# KiCad board distribution.kicad_pcb (continued)
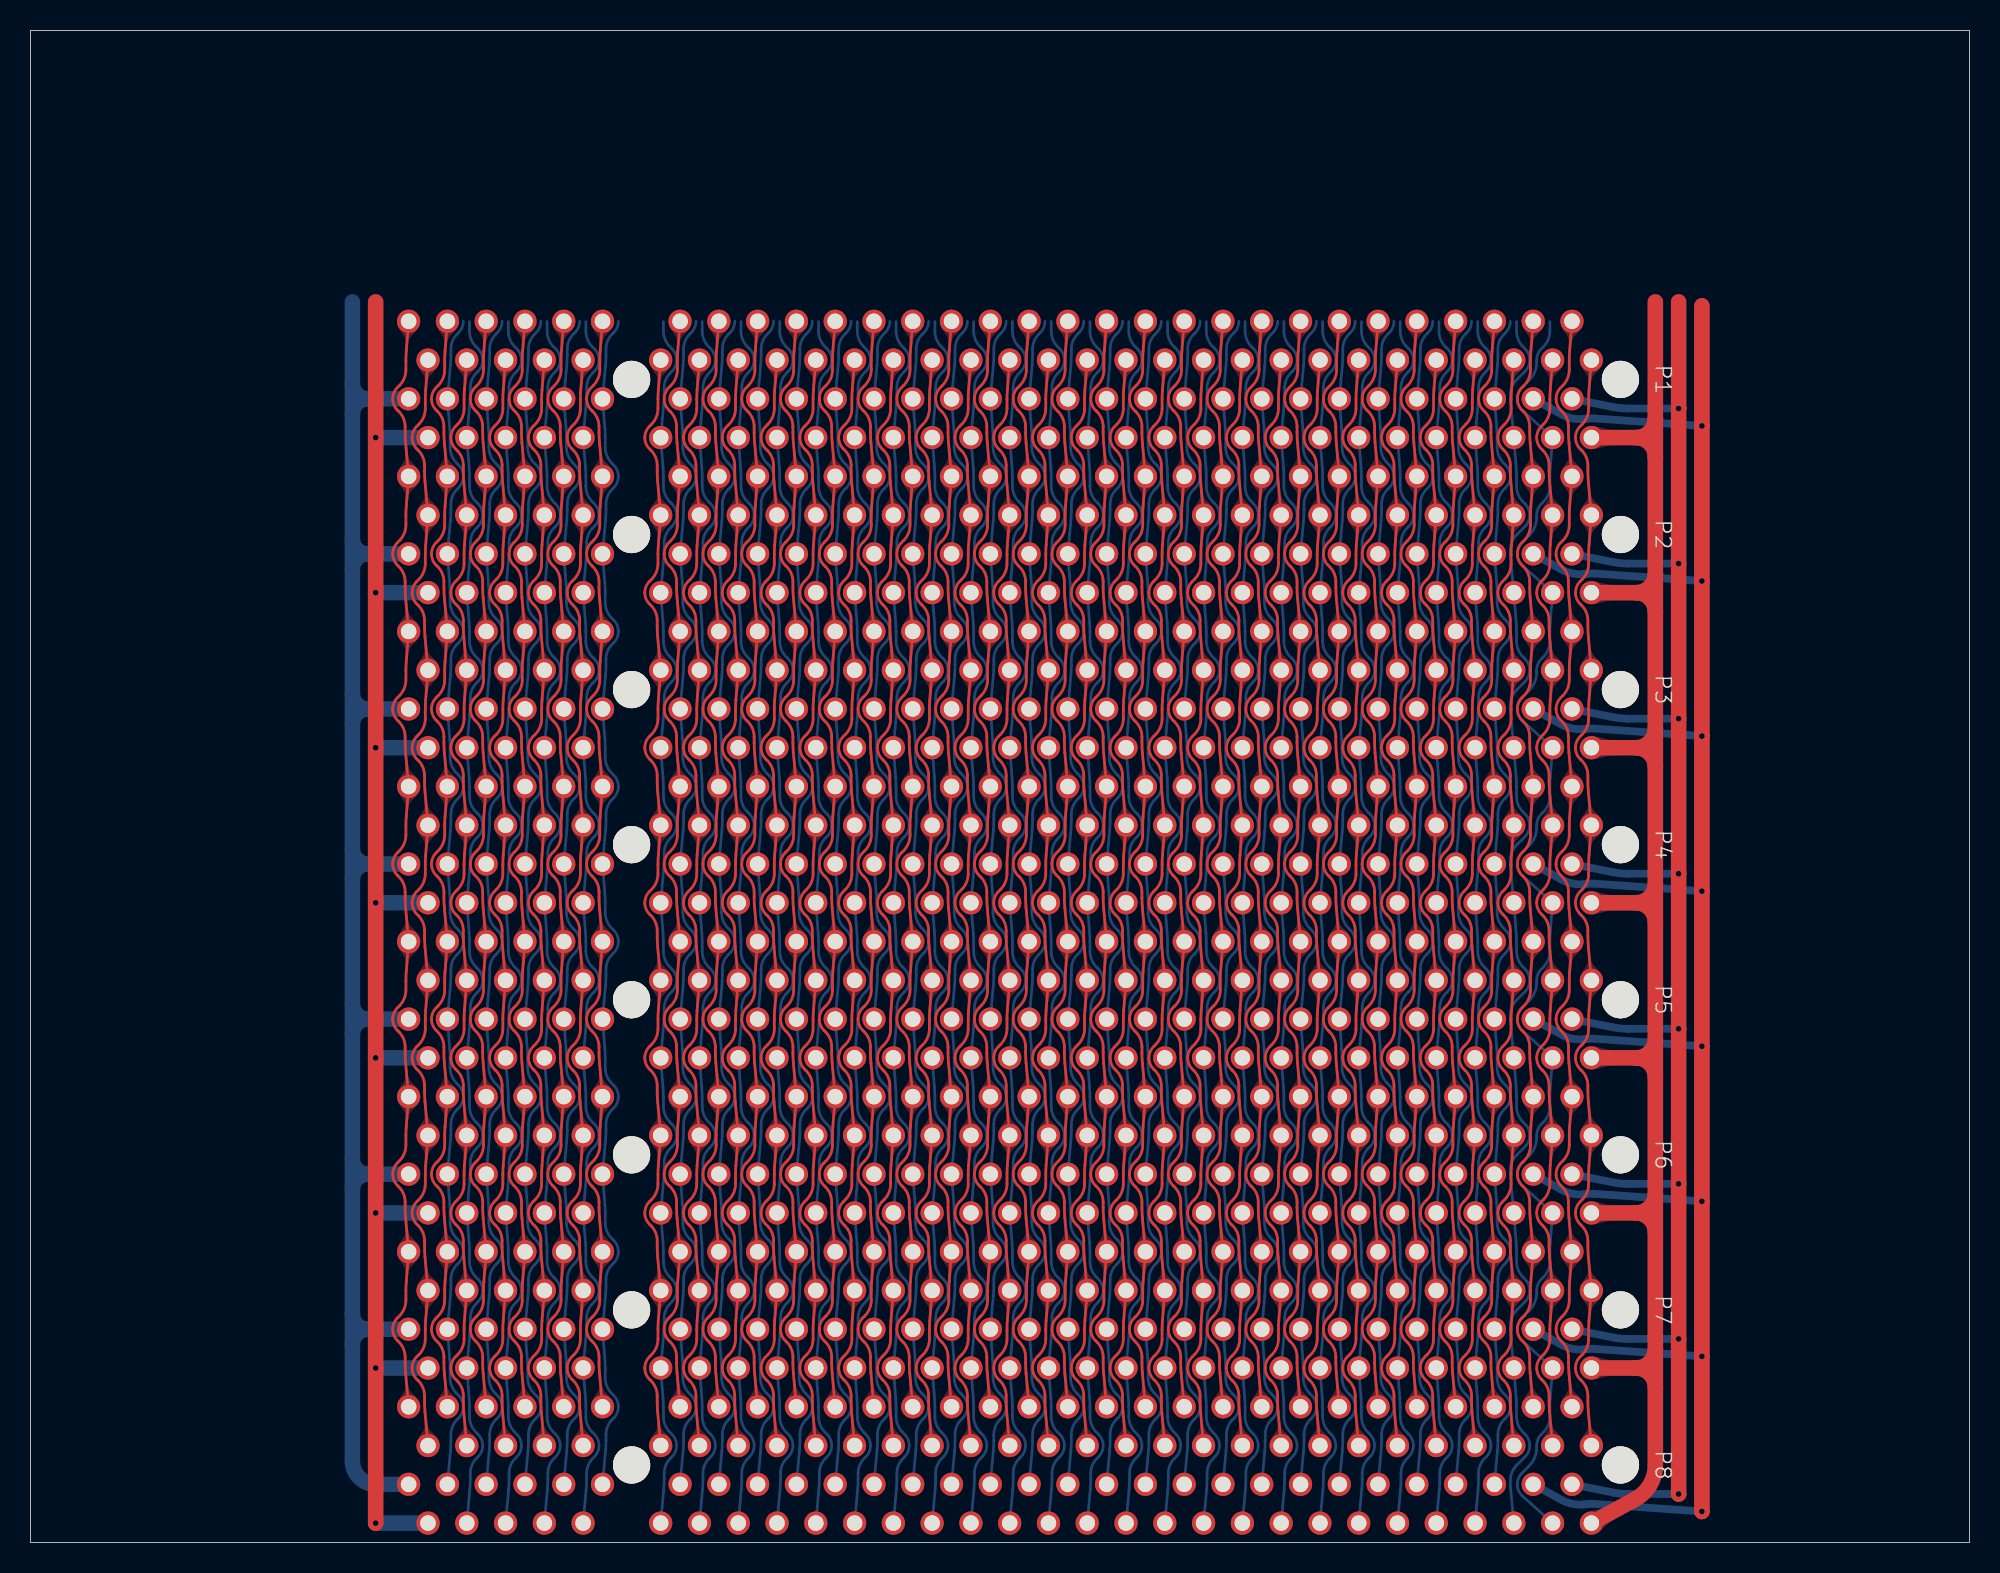
[diagram p0: board, top side]
## Routing (per net, layer and track width the routed paths; a pad name or vN(x,y) marks a point on that pad's centre or on a via; arc(x,y) is an arc through that point) (continued)
Aw': length 74.6
  Top w0.178: P8.B12 88.07,11.09 arc(88.04,11.43) 88.04,11.77 88.04,12.15 arc(87.93,12.68) 87.63,13.13 87.53,13.23 arc(87.3,13.57) 87.22,13.97 arc(87.3,14.37) 87.53,14.71 87.66,14.83 arc(87.97,15.31) 88.09,15.88 88.09,16.49 arc(88.09,16.79) 88.11,17.09 P7.B12 88.07,21.25 arc(88.04,21.59) 88.04,21.93 88.04,22.31 arc(87.93,22.84) 87.63,23.29 87.53,23.39 arc(87.3,23.73) 87.22,24.13 arc(87.3,24.53) 87.53,24.87 87.66,24.99 arc(87.97,25.47) 88.09,26.04 88.09,26.65 arc(88.09,26.95) 88.11,27.25 P6.B12 88.07,31.41 arc(88.04,31.75) 88.04,32.09 88.04,32.47 arc(87.93,33) 87.63,33.45 87.53,33.55 arc(87.3,33.89) 87.22,34.29 arc(87.3,34.69) 87.53,35.03 87.66,35.15 arc(87.97,35.63) 88.09,36.2 88.09,36.81 arc(88.09,37.11) 88.11,37.41 P5.B12 88.07,41.57 arc(88.04,41.91) 88.04,42.25 88.04,42.63 arc(87.93,43.16) 87.63,43.61 87.53,43.71 arc(87.3,44.05) 87.22,44.45 arc(87.3,44.85) 87.53,45.19 87.66,45.31 arc(87.97,45.79) 88.09,46.36 88.09,46.97 arc(88.09,47.27) 88.11,47.57 P4.B12 88.07,51.73 arc(88.04,52.07) 88.04,52.41 88.04,52.79 arc(87.93,53.32) 87.63,53.77 87.53,53.87 arc(87.3,54.21) 87.22,54.61 arc(87.3,55.01) 87.53,55.35 87.66,55.47 arc(87.97,55.95) 88.09,56.52 88.09,57.13 arc(88.09,57.43) 88.11,57.73 P3.B12 88.07,61.89 arc(88.04,62.23) 88.04,62.57 88.04,62.95 arc(87.93,63.48) 87.63,63.93 87.53,64.03 arc(87.3,64.37) 87.22,64.77 arc(87.3,65.17) 87.53,65.51 87.66,65.63 arc(87.97,66.11) 88.09,66.68 88.09,67.29 arc(88.09,67.59) 88.11,67.89 P2.B12 88.07,72.05 arc(88.04,72.39) 88.04,72.73 88.04,73.11 arc(87.93,73.64) 87.63,74.09 87.53,74.19 arc(87.3,74.53) 87.22,74.93 arc(87.3,75.33) 87.53,75.67 87.66,75.79 arc(87.97,76.27) 88.09,76.84 88.09,77.45 arc(88.09,77.75) 88.11,78.05 P1.B12
be: length 74.6
  Top w0.178: P8.B21 76.64,8.55 arc(76.61,8.89) 76.61,9.23 76.61,9.61 arc(76.5,10.14) 76.2,10.59 76.1,10.69 arc(75.87,11.03) 75.79,11.43 arc(75.87,11.83) 76.1,12.17 76.23,12.29 arc(76.54,12.77) 76.66,13.34 76.66,13.95 arc(76.66,14.25) 76.68,14.55 P7.B21 76.64,18.71 arc(76.61,19.05) 76.61,19.39 76.61,19.77 arc(76.5,20.3) 76.2,20.75 76.1,20.85 arc(75.87,21.19) 75.79,21.59 arc(75.87,21.99) 76.1,22.33 76.23,22.45 arc(76.54,22.93) 76.66,23.5 76.66,24.11 arc(76.66,24.41) 76.68,24.71 P6.B21 76.64,28.87 arc(76.61,29.21) 76.61,29.55 76.61,29.93 arc(76.5,30.46) 76.2,30.91 76.1,31.01 arc(75.87,31.35) 75.79,31.75 arc(75.87,32.15) 76.1,32.49 76.23,32.61 arc(76.54,33.09) 76.66,33.66 76.66,34.27 arc(76.66,34.57) 76.68,34.87 P5.B21 76.64,39.03 arc(76.61,39.37) 76.61,39.71 76.61,40.09 arc(76.5,40.62) 76.2,41.07 76.1,41.17 arc(75.87,41.51) 75.79,41.91 arc(75.87,42.31) 76.1,42.65 76.23,42.77 arc(76.54,43.25) 76.66,43.82 76.66,44.43 arc(76.66,44.73) 76.68,45.03 P4.B21 76.64,49.19 arc(76.61,49.53) 76.61,49.87 76.61,50.25 arc(76.5,50.78) 76.2,51.23 76.1,51.33 arc(75.87,51.67) 75.79,52.07 arc(75.87,52.47) 76.1,52.81 76.23,52.93 arc(76.54,53.41) 76.66,53.98 76.66,54.59 arc(76.66,54.89) 76.68,55.19 P3.B21 76.64,59.35 arc(76.61,59.69) 76.61,60.03 76.61,60.41 arc(76.5,60.94) 76.2,61.39 76.1,61.49 arc(75.87,61.83) 75.79,62.23 arc(75.87,62.63) 76.1,62.97 76.23,63.09 arc(76.54,63.57) 76.66,64.14 76.66,64.75 arc(76.66,65.05) 76.68,65.35 P2.B21 76.64,69.51 arc(76.61,69.85) 76.61,70.19 76.61,70.57 arc(76.5,71.1) 76.2,71.55 76.1,71.65 arc(75.87,71.99) 75.79,72.39 arc(75.87,72.79) 76.1,73.13 76.23,73.25 arc(76.54,73.73) 76.66,74.3 76.66,74.91 arc(76.66,75.21) 76.68,75.51 P1.B21
Bl: length 74.6
  Top w0.178: 53.98,77.47 53.82,75.51 arc(53.8,75.21) 53.8,74.91 53.8,74.3 arc(53.68,73.73) 53.37,73.25 53.24,73.13 arc(53.01,72.79) 52.93,72.39 arc(53.01,71.99) 53.24,71.65 53.34,71.55 arc(53.64,71.1) 53.75,70.57 53.75,70.19 arc(53.75,69.85) 53.78,69.51 53.98,67.31 53.82,65.35 arc(53.8,65.05) 53.8,64.75 53.8,64.14 arc(53.68,63.57) 53.37,63.09 53.24,62.97 arc(53.01,62.63) 52.93,62.23 arc(53.01,61.83) 53.24,61.49 53.34,61.39 arc(53.64,60.94) 53.75,60.41 53.75,60.03 arc(53.75,59.69) 53.78,59.35 53.98,57.15 53.82,55.19 arc(53.8,54.89) 53.8,54.59 53.8,53.98 arc(53.68,53.41) 53.37,52.93 53.24,52.81 arc(53.01,52.47) 52.93,52.07 arc(53.01,51.67) 53.24,51.33 53.34,51.23 arc(53.64,50.78) 53.75,50.25 53.75,49.87 arc(53.75,49.53) 53.78,49.19 53.98,46.99 53.82,45.03 arc(53.8,44.73) 53.8,44.43 53.8,43.82 arc(53.68,43.25) 53.37,42.77 53.24,42.65 arc(53.01,42.31) 52.93,41.91 arc(53.01,41.51) 53.24,41.17 53.34,41.07 arc(53.64,40.62) 53.75,40.09 53.75,39.71 arc(53.75,39.37) 53.78,39.03 53.98,36.83 53.82,34.87 arc(53.8,34.57) 53.8,34.27 53.8,33.66 arc(53.68,33.09) 53.37,32.61 53.24,32.49 arc(53.01,32.15) 52.93,31.75 arc(53.01,31.35) 53.24,31.01 53.34,30.91 arc(53.64,30.46) 53.75,29.93 53.75,29.55 arc(53.75,29.21) 53.78,28.87 53.98,26.67 53.82,24.71 arc(53.8,24.41) 53.8,24.11 53.8,23.5 arc(53.68,22.93) 53.37,22.45 53.24,22.33 arc(53.01,21.99) 52.93,21.59 arc(53.01,21.19) 53.24,20.85 53.34,20.75 arc(53.64,20.3) 53.75,19.77 53.75,19.39 arc(53.75,19.05) 53.78,18.71 53.98,16.51 53.82,14.55 arc(53.8,14.25) 53.8,13.95 53.8,13.34 arc(53.68,12.77) 53.37,12.29 53.24,12.17 arc(53.01,11.83) 52.93,11.43 arc(53.01,11.03) 53.24,10.69 53.34,10.59 arc(53.64,10.14) 53.75,9.61 53.75,9.23 arc(53.75,8.89) 53.78,8.55 53.98,6.35
bq: length 74.6
  Top w0.178: P1.B33 61.44,75.51 arc(61.42,75.21) 61.42,74.91 61.42,74.3 arc(61.3,73.73) 60.99,73.25 60.86,73.13 arc(60.63,72.79) 60.55,72.39 arc(60.63,71.99) 60.86,71.65 60.96,71.55 arc(61.26,71.1) 61.37,70.57 61.37,70.19 arc(61.37,69.85) 61.4,69.51 P2.B33 61.44,65.35 arc(61.42,65.05) 61.42,64.75 61.42,64.14 arc(61.3,63.57) 60.99,63.09 60.86,62.97 arc(60.63,62.63) 60.55,62.23 arc(60.63,61.83) 60.86,61.49 60.96,61.39 arc(61.26,60.94) 61.37,60.41 61.37,60.03 arc(61.37,59.69) 61.4,59.35 P3.B33 61.44,55.19 arc(61.42,54.89) 61.42,54.59 61.42,53.98 arc(61.3,53.41) 60.99,52.93 60.86,52.81 arc(60.63,52.47) 60.55,52.07 arc(60.63,51.67) 60.86,51.33 60.96,51.23 arc(61.26,50.78) 61.37,50.25 61.37,49.87 arc(61.37,49.53) 61.4,49.19 P4.B33 61.44,45.03 arc(61.42,44.73) 61.42,44.43 61.42,43.82 arc(61.3,43.25) 60.99,42.77 60.86,42.65 arc(60.63,42.31) 60.55,41.91 arc(60.63,41.51) 60.86,41.17 60.96,41.07 arc(61.26,40.62) 61.37,40.09 61.37,39.71 arc(61.37,39.37) 61.4,39.03 P5.B33 61.44,34.87 arc(61.42,34.57) 61.42,34.27 61.42,33.66 arc(61.3,33.09) 60.99,32.61 60.86,32.49 arc(60.63,32.15) 60.55,31.75 arc(60.63,31.35) 60.86,31.01 60.96,30.91 arc(61.26,30.46) 61.37,29.93 61.37,29.55 arc(61.37,29.21) 61.4,28.87 P6.B33 61.44,24.71 arc(61.42,24.41) 61.42,24.11 61.42,23.5 arc(61.3,22.93) 60.99,22.45 60.86,22.33 arc(60.63,21.99) 60.55,21.59 arc(60.63,21.19) 60.86,20.85 60.96,20.75 arc(61.26,20.3) 61.37,19.77 61.37,19.39 arc(61.37,19.05) 61.4,18.71 P7.B33 61.44,14.55 arc(61.42,14.25) 61.42,13.95 61.42,13.34 arc(61.3,12.77) 60.99,12.29 60.86,12.17 arc(60.63,11.83) 60.55,11.43 arc(60.63,11.03) 60.86,10.69 60.96,10.59 arc(61.26,10.14) 61.37,9.61 61.37,9.23 arc(61.37,8.89) 61.4,8.55 P8.B33
brc: length 74.6
  Top w0.178: 74.3,6.35 74.1,8.55 arc(74.07,8.89) 74.07,9.23 74.07,9.61 arc(73.96,10.14) 73.66,10.59 73.56,10.69 arc(73.33,11.03) 73.25,11.43 arc(73.33,11.83) 73.56,12.17 73.69,12.29 arc(74,12.77) 74.12,13.34 74.12,13.95 arc(74.12,14.25) 74.14,14.55 74.3,16.51 74.1,18.71 arc(74.07,19.05) 74.07,19.39 74.07,19.77 arc(73.96,20.3) 73.66,20.75 73.56,20.85 arc(73.33,21.19) 73.25,21.59 arc(73.33,21.99) 73.56,22.33 73.69,22.45 arc(74,22.93) 74.12,23.5 74.12,24.11 arc(74.12,24.41) 74.14,24.71 74.3,26.67 74.1,28.87 arc(74.07,29.21) 74.07,29.55 74.07,29.93 arc(73.96,30.46) 73.66,30.91 73.56,31.01 arc(73.33,31.35) 73.25,31.75 arc(73.33,32.15) 73.56,32.49 73.69,32.61 arc(74,33.09) 74.12,33.66 74.12,34.27 arc(74.12,34.57) 74.14,34.87 74.3,36.83 74.1,39.03 arc(74.07,39.37) 74.07,39.71 74.07,40.09 arc(73.96,40.62) 73.66,41.07 73.56,41.17 arc(73.33,41.51) 73.25,41.91 arc(73.33,42.31) 73.56,42.65 73.69,42.77 arc(74,43.25) 74.12,43.82 74.12,44.43 arc(74.12,44.73) 74.14,45.03 74.3,46.99 74.1,49.19 arc(74.07,49.53) 74.07,49.87 74.07,50.25 arc(73.96,50.78) 73.66,51.23 73.56,51.33 arc(73.33,51.67) 73.25,52.07 arc(73.33,52.47) 73.56,52.81 73.69,52.93 arc(74,53.41) 74.12,53.98 74.12,54.59 arc(74.12,54.89) 74.14,55.19 74.3,57.15 74.1,59.35 arc(74.07,59.69) 74.07,60.03 74.07,60.41 arc(73.96,60.94) 73.66,61.39 73.56,61.49 arc(73.33,61.83) 73.25,62.23 arc(73.33,62.63) 73.56,62.97 73.69,63.09 arc(74,63.57) 74.12,64.14 74.12,64.75 arc(74.12,65.05) 74.14,65.35 74.3,67.31 74.1,69.51 arc(74.07,69.85) 74.07,70.19 74.07,70.57 arc(73.96,71.1) 73.66,71.55 73.56,71.65 arc(73.33,71.99) 73.25,72.39 arc(73.33,72.79) 73.56,73.13 73.69,73.25 arc(74,73.73) 74.12,74.3 74.12,74.91 arc(74.12,75.21) 74.14,75.51 74.3,77.47
bs: length 74.6
  Top w0.178: P8.B30 65.21,11.09 arc(65.18,11.43) 65.18,11.77 65.18,12.15 arc(65.07,12.68) 64.77,13.13 64.67,13.23 arc(64.44,13.57) 64.36,13.97 arc(64.44,14.37) 64.67,14.71 64.8,14.83 arc(65.11,15.31) 65.23,15.88 65.23,16.49 arc(65.23,16.79) 65.25,17.09 P7.B30 65.21,21.25 arc(65.18,21.59) 65.18,21.93 65.18,22.31 arc(65.07,22.84) 64.77,23.29 64.67,23.39 arc(64.44,23.73) 64.36,24.13 arc(64.44,24.53) 64.67,24.87 64.8,24.99 arc(65.11,25.47) 65.23,26.04 65.23,26.65 arc(65.23,26.95) 65.25,27.25 P6.B30 65.21,31.41 arc(65.18,31.75) 65.18,32.09 65.18,32.47 arc(65.07,33) 64.77,33.45 64.67,33.55 arc(64.44,33.89) 64.36,34.29 arc(64.44,34.69) 64.67,35.03 64.8,35.15 arc(65.11,35.63) 65.23,36.2 65.23,36.81 arc(65.23,37.11) 65.25,37.41 P5.B30 65.21,41.57 arc(65.18,41.91) 65.18,42.25 65.18,42.63 arc(65.07,43.16) 64.77,43.61 64.67,43.71 arc(64.44,44.05) 64.36,44.45 arc(64.44,44.85) 64.67,45.19 64.8,45.31 arc(65.11,45.79) 65.23,46.36 65.23,46.97 arc(65.23,47.27) 65.25,47.57 P4.B30 65.21,51.73 arc(65.18,52.07) 65.18,52.41 65.18,52.79 arc(65.07,53.32) 64.77,53.77 64.67,53.87 arc(64.44,54.21) 64.36,54.61 arc(64.44,55.01) 64.67,55.35 64.8,55.47 arc(65.11,55.95) 65.23,56.52 65.23,57.13 arc(65.23,57.43) 65.25,57.73 P3.B30 65.21,61.89 arc(65.18,62.23) 65.18,62.57 65.18,62.95 arc(65.07,63.48) 64.77,63.93 64.67,64.03 arc(64.44,64.37) 64.36,64.77 arc(64.44,65.17) 64.67,65.51 64.8,65.63 arc(65.11,66.11) 65.23,66.68 65.23,67.29 arc(65.23,67.59) 65.25,67.89 P2.B30 65.21,72.05 arc(65.18,72.39) 65.18,72.73 65.18,73.11 arc(65.07,73.64) 64.77,74.09 64.67,74.19 arc(64.44,74.53) 64.36,74.93 arc(64.44,75.33) 64.67,75.67 64.8,75.79 arc(65.11,76.27) 65.23,76.84 65.23,77.45 arc(65.23,77.75) 65.25,78.05 P1.B30
C: length 74.6
  Top w0.178: P8.B38 55.05,11.09 arc(55.02,11.43) 55.02,11.77 55.02,12.15 arc(54.91,12.68) 54.61,13.13 54.51,13.23 arc(54.28,13.57) 54.2,13.97 arc(54.28,14.37) 54.51,14.71 54.64,14.83 arc(54.95,15.31) 55.07,15.88 55.07,16.49 arc(55.07,16.79) 55.09,17.09 P7.B38 55.05,21.25 arc(55.02,21.59) 55.02,21.93 55.02,22.31 arc(54.91,22.84) 54.61,23.29 54.51,23.39 arc(54.28,23.73) 54.2,24.13 arc(54.28,24.53) 54.51,24.87 54.64,24.99 arc(54.95,25.47) 55.07,26.04 55.07,26.65 arc(55.07,26.95) 55.09,27.25 P6.B38 55.05,31.41 arc(55.02,31.75) 55.02,32.09 55.02,32.47 arc(54.91,33) 54.61,33.45 54.51,33.55 arc(54.28,33.89) 54.2,34.29 arc(54.28,34.69) 54.51,35.03 54.64,35.15 arc(54.95,35.63) 55.07,36.2 55.07,36.81 arc(55.07,37.11) 55.09,37.41 P5.B38 55.05,41.57 arc(55.02,41.91) 55.02,42.25 55.02,42.63 arc(54.91,43.16) 54.61,43.61 54.51,43.71 arc(54.28,44.05) 54.2,44.45 arc(54.28,44.85) 54.51,45.19 54.64,45.31 arc(54.95,45.79) 55.07,46.36 55.07,46.97 arc(55.07,47.27) 55.09,47.57 P4.B38 55.05,51.73 arc(55.02,52.07) 55.02,52.41 55.02,52.79 arc(54.91,53.32) 54.61,53.77 54.51,53.87 arc(54.28,54.21) 54.2,54.61 arc(54.28,55.01) 54.51,55.35 54.64,55.47 arc(54.95,55.95) 55.07,56.52 55.07,57.13 arc(55.07,57.43) 55.09,57.73 P3.B38 55.05,61.89 arc(55.02,62.23) 55.02,62.57 55.02,62.95 arc(54.91,63.48) 54.61,63.93 54.51,64.03 arc(54.28,64.37) 54.2,64.77 arc(54.28,65.17) 54.51,65.51 54.64,65.63 arc(54.95,66.11) 55.07,66.68 55.07,67.29 arc(55.07,67.59) 55.09,67.89 P2.B38 55.05,72.05 arc(55.02,72.39) 55.02,72.73 55.02,73.11 arc(54.91,73.64) 54.61,74.09 54.51,74.19 arc(54.28,74.53) 54.2,74.93 arc(54.28,75.33) 54.51,75.67 54.64,75.79 arc(54.95,76.27) 55.07,76.84 55.07,77.45 arc(55.07,77.75) 55.09,78.05 P1.B38
CP: length 74.6
  Top w0.178: P8.B27 69.02,8.55 arc(68.99,8.89) 68.99,9.23 68.99,9.61 arc(68.88,10.14) 68.58,10.59 68.48,10.69 arc(68.25,11.03) 68.17,11.43 arc(68.25,11.83) 68.48,12.17 68.61,12.29 arc(68.92,12.77) 69.04,13.34 69.04,13.95 arc(69.04,14.25) 69.06,14.55 P7.B27 69.02,18.71 arc(68.99,19.05) 68.99,19.39 68.99,19.77 arc(68.88,20.3) 68.58,20.75 68.48,20.85 arc(68.25,21.19) 68.17,21.59 arc(68.25,21.99) 68.48,22.33 68.61,22.45 arc(68.92,22.93) 69.04,23.5 69.04,24.11 arc(69.04,24.41) 69.06,24.71 P6.B27 69.02,28.87 arc(68.99,29.21) 68.99,29.55 68.99,29.93 arc(68.88,30.46) 68.58,30.91 68.48,31.01 arc(68.25,31.35) 68.17,31.75 arc(68.25,32.15) 68.48,32.49 68.61,32.61 arc(68.92,33.09) 69.04,33.66 69.04,34.27 arc(69.04,34.57) 69.06,34.87 P5.B27 69.02,39.03 arc(68.99,39.37) 68.99,39.71 68.99,40.09 arc(68.88,40.62) 68.58,41.07 68.48,41.17 arc(68.25,41.51) 68.17,41.91 arc(68.25,42.31) 68.48,42.65 68.61,42.77 arc(68.92,43.25) 69.04,43.82 69.04,44.43 arc(69.04,44.73) 69.06,45.03 P4.B27 69.02,49.19 arc(68.99,49.53) 68.99,49.87 68.99,50.25 arc(68.88,50.78) 68.58,51.23 68.48,51.33 arc(68.25,51.67) 68.17,52.07 arc(68.25,52.47) 68.48,52.81 68.61,52.93 arc(68.92,53.41) 69.04,53.98 69.04,54.59 arc(69.04,54.89) 69.06,55.19 P3.B27 69.02,59.35 arc(68.99,59.69) 68.99,60.03 68.99,60.41 arc(68.88,60.94) 68.58,61.39 68.48,61.49 arc(68.25,61.83) 68.17,62.23 arc(68.25,62.63) 68.48,62.97 68.61,63.09 arc(68.92,63.57) 69.04,64.14 69.04,64.75 arc(69.04,65.05) 69.06,65.35 P2.B27 69.02,69.51 arc(68.99,69.85) 68.99,70.19 68.99,70.57 arc(68.88,71.1) 68.58,71.55 68.48,71.65 arc(68.25,71.99) 68.17,72.39 arc(68.25,72.79) 68.48,73.13 68.61,73.25 arc(68.92,73.73) 69.04,74.3 69.04,74.91 arc(69.04,75.21) 69.06,75.51 P1.B27
Cw': length 74.6
  Top w0.178: P8.B56 32.19,11.09 arc(32.16,11.43) 32.16,11.77 32.16,12.15 arc(32.05,12.68) 31.75,13.13 31.65,13.23 arc(31.42,13.57) 31.34,13.97 arc(31.42,14.37) 31.65,14.71 31.78,14.83 arc(32.09,15.31) 32.21,15.88 32.21,16.49 arc(32.21,16.79) 32.23,17.09 P7.B56 32.19,21.25 arc(32.16,21.59) 32.16,21.93 32.16,22.31 arc(32.05,22.84) 31.75,23.29 31.65,23.39 arc(31.42,23.73) 31.34,24.13 arc(31.42,24.53) 31.65,24.87 31.78,24.99 arc(32.09,25.47) 32.21,26.04 32.21,26.65 arc(32.21,26.95) 32.23,27.25 P6.B56 32.19,31.41 arc(32.16,31.75) 32.16,32.09 32.16,32.47 arc(32.05,33) 31.75,33.45 31.65,33.55 arc(31.42,33.89) 31.34,34.29 arc(31.42,34.69) 31.65,35.03 31.78,35.15 arc(32.09,35.63) 32.21,36.2 32.21,36.81 arc(32.21,37.11) 32.23,37.41 P5.B56 32.19,41.57 arc(32.16,41.91) 32.16,42.25 32.16,42.63 arc(32.05,43.16) 31.75,43.61 31.65,43.71 arc(31.42,44.05) 31.34,44.45 arc(31.42,44.85) 31.65,45.19 31.78,45.31 arc(32.09,45.79) 32.21,46.36 32.21,46.97 arc(32.21,47.27) 32.23,47.57 P4.B56 32.19,51.73 arc(32.16,52.07) 32.16,52.41 32.16,52.79 arc(32.05,53.32) 31.75,53.77 31.65,53.87 arc(31.42,54.21) 31.34,54.61 arc(31.42,55.01) 31.65,55.35 31.78,55.47 arc(32.09,55.95) 32.21,56.52 32.21,57.13 arc(32.21,57.43) 32.23,57.73 P3.B56 32.19,61.89 arc(32.16,62.23) 32.16,62.57 32.16,62.95 arc(32.05,63.48) 31.75,63.93 31.65,64.03 arc(31.42,64.37) 31.34,64.77 arc(31.42,65.17) 31.65,65.51 31.78,65.63 arc(32.09,66.11) 32.21,66.68 32.21,67.29 arc(32.21,67.59) 32.23,67.89 P2.B56 32.19,72.05 arc(32.16,72.39) 32.16,72.73 32.16,73.11 arc(32.05,73.64) 31.75,74.09 31.65,74.19 arc(31.42,74.53) 31.34,74.93 arc(31.42,75.33) 31.65,75.67 31.78,75.79 arc(32.09,76.27) 32.21,76.84 32.21,77.45 arc(32.21,77.75) 32.23,78.05 P1.B56
F: length 74.6
  Top w0.178: 71.76,77.47 71.6,75.51 arc(71.58,75.21) 71.58,74.91 71.58,74.3 arc(71.46,73.73) 71.15,73.25 71.02,73.13 arc(70.79,72.79) 70.71,72.39 arc(70.79,71.99) 71.02,71.65 71.12,71.55 arc(71.42,71.1) 71.53,70.57 71.53,70.19 arc(71.53,69.85) 71.56,69.51 71.76,67.31 71.6,65.35 arc(71.58,65.05) 71.58,64.75 71.58,64.14 arc(71.46,63.57) 71.15,63.09 71.02,62.97 arc(70.79,62.63) 70.71,62.23 arc(70.79,61.83) 71.02,61.49 71.12,61.39 arc(71.42,60.94) 71.53,60.41 71.53,60.03 arc(71.53,59.69) 71.56,59.35 71.76,57.15 71.6,55.19 arc(71.58,54.89) 71.58,54.59 71.58,53.98 arc(71.46,53.41) 71.15,52.93 71.02,52.81 arc(70.79,52.47) 70.71,52.07 arc(70.79,51.67) 71.02,51.33 71.12,51.23 arc(71.42,50.78) 71.53,50.25 71.53,49.87 arc(71.53,49.53) 71.56,49.19 71.76,46.99 71.6,45.03 arc(71.58,44.73) 71.58,44.43 71.58,43.82 arc(71.46,43.25) 71.15,42.77 71.02,42.65 arc(70.79,42.31) 70.71,41.91 arc(70.79,41.51) 71.02,41.17 71.12,41.07 arc(71.42,40.62) 71.53,40.09 71.53,39.71 arc(71.53,39.37) 71.56,39.03 71.76,36.83 71.6,34.87 arc(71.58,34.57) 71.58,34.27 71.58,33.66 arc(71.46,33.09) 71.15,32.61 71.02,32.49 arc(70.79,32.15) 70.71,31.75 arc(70.79,31.35) 71.02,31.01 71.12,30.91 arc(71.42,30.46) 71.53,29.93 71.53,29.55 arc(71.53,29.21) 71.56,28.87 71.76,26.67 71.6,24.71 arc(71.58,24.41) 71.58,24.11 71.58,23.5 arc(71.46,22.93) 71.15,22.45 71.02,22.33 arc(70.79,21.99) 70.71,21.59 arc(70.79,21.19) 71.02,20.85 71.12,20.75 arc(71.42,20.3) 71.53,19.77 71.53,19.39 arc(71.53,19.05) 71.56,18.71 71.76,16.51 71.6,14.55 arc(71.58,14.25) 71.58,13.95 71.58,13.34 arc(71.46,12.77) 71.15,12.29 71.02,12.17 arc(70.79,11.83) 70.71,11.43 arc(70.79,11.03) 71.02,10.69 71.12,10.59 arc(71.42,10.14) 71.53,9.61 71.53,9.23 arc(71.53,8.89) 71.56,8.55 71.76,6.35
Fa: length 74.6
  Top w0.178: 99.7,77.47 99.54,75.51 arc(99.52,75.21) 99.52,74.91 99.52,74.3 arc(99.4,73.73) 99.09,73.25 98.96,73.13 arc(98.73,72.79) 98.65,72.39 arc(98.73,71.99) 98.96,71.65 99.06,71.55 arc(99.36,71.1) 99.47,70.57 99.47,70.19 arc(99.47,69.85) 99.5,69.51 99.7,67.31 99.54,65.35 arc(99.52,65.05) 99.52,64.75 99.52,64.14 arc(99.4,63.57) 99.09,63.09 98.96,62.97 arc(98.73,62.63) 98.65,62.23 arc(98.73,61.83) 98.96,61.49 99.06,61.39 arc(99.36,60.94) 99.47,60.41 99.47,60.03 arc(99.47,59.69) 99.5,59.35 99.7,57.15 99.54,55.19 arc(99.52,54.89) 99.52,54.59 99.52,53.98 arc(99.4,53.41) 99.09,52.93 98.96,52.81 arc(98.73,52.47) 98.65,52.07 arc(98.73,51.67) 98.96,51.33 99.06,51.23 arc(99.36,50.78) 99.47,50.25 99.47,49.87 arc(99.47,49.53) 99.5,49.19 99.7,46.99 99.54,45.03 arc(99.52,44.73) 99.52,44.43 99.52,43.82 arc(99.4,43.25) 99.09,42.77 98.96,42.65 arc(98.73,42.31) 98.65,41.91 arc(98.73,41.51) 98.96,41.17 99.06,41.07 arc(99.36,40.62) 99.47,40.09 99.47,39.71 arc(99.47,39.37) 99.5,39.03 99.7,36.83 99.54,34.87 arc(99.52,34.57) 99.52,34.27 99.52,33.66 arc(99.4,33.09) 99.09,32.61 98.96,32.49 arc(98.73,32.15) 98.65,31.75 arc(98.73,31.35) 98.96,31.01 99.06,30.91 arc(99.36,30.46) 99.47,29.93 99.47,29.55 arc(99.47,29.21) 99.5,28.87 99.7,26.67 99.54,24.71 arc(99.52,24.41) 99.52,24.11 99.52,23.5 arc(99.4,22.93) 99.09,22.45 98.96,22.33 arc(98.73,21.99) 98.65,21.59 arc(98.73,21.19) 98.96,20.85 99.06,20.75 arc(99.36,20.3) 99.47,19.77 99.47,19.39 arc(99.47,19.05) 99.5,18.71 99.7,16.51 99.54,14.55 arc(99.52,14.25) 99.52,13.95 99.52,13.34 arc(99.4,12.77) 99.09,12.29 98.96,12.17 arc(98.73,11.83) 98.65,11.43 arc(98.73,11.03) 98.96,10.69 99.06,10.59 arc(99.36,10.14) 99.47,9.61 99.47,9.23 arc(99.47,8.89) 99.5,8.55 99.7,6.35
Faf: length 74.6
  Top w0.178: P1.B40 52.55,78.05 arc(52.53,77.75) 52.53,77.45 52.53,76.84 arc(52.41,76.27) 52.1,75.79 51.97,75.67 arc(51.74,75.33) 51.66,74.93 arc(51.74,74.53) 51.97,74.19 52.07,74.09 arc(52.37,73.64) 52.48,73.11 52.48,72.73 arc(52.48,72.39) 52.51,72.05 P2.B40 52.55,67.89 arc(52.53,67.59) 52.53,67.29 52.53,66.68 arc(52.41,66.11) 52.1,65.63 51.97,65.51 arc(51.74,65.17) 51.66,64.77 arc(51.74,64.37) 51.97,64.03 52.07,63.93 arc(52.37,63.48) 52.48,62.95 52.48,62.57 arc(52.48,62.23) 52.51,61.89 P3.B40 52.55,57.73 arc(52.53,57.43) 52.53,57.13 52.53,56.52 arc(52.41,55.95) 52.1,55.47 51.97,55.35 arc(51.74,55.01) 51.66,54.61 arc(51.74,54.21) 51.97,53.87 52.07,53.77 arc(52.37,53.32) 52.48,52.79 52.48,52.41 arc(52.48,52.07) 52.51,51.73 P4.B40 52.55,47.57 arc(52.53,47.27) 52.53,46.97 52.53,46.36 arc(52.41,45.79) 52.1,45.31 51.97,45.19 arc(51.74,44.85) 51.66,44.45 arc(51.74,44.05) 51.97,43.71 52.07,43.61 arc(52.37,43.16) 52.48,42.63 52.48,42.25 arc(52.48,41.91) 52.51,41.57 P5.B40 52.55,37.41 arc(52.53,37.11) 52.53,36.81 52.53,36.2 arc(52.41,35.63) 52.1,35.15 51.97,35.03 arc(51.74,34.69) 51.66,34.29 arc(51.74,33.89) 51.97,33.55 52.07,33.45 arc(52.37,33) 52.48,32.47 52.48,32.09 arc(52.48,31.75) 52.51,31.41 P6.B40 52.55,27.25 arc(52.53,26.95) 52.53,26.65 52.53,26.04 arc(52.41,25.47) 52.1,24.99 51.97,24.87 arc(51.74,24.53) 51.66,24.13 arc(51.74,23.73) 51.97,23.39 52.07,23.29 arc(52.37,22.84) 52.48,22.31 52.48,21.93 arc(52.48,21.59) 52.51,21.25 P7.B40 52.55,17.09 arc(52.53,16.79) 52.53,16.49 52.53,15.88 arc(52.41,15.31) 52.1,14.83 51.97,14.71 arc(51.74,14.37) 51.66,13.97 arc(51.74,13.57) 51.97,13.23 52.07,13.13 arc(52.37,12.68) 52.48,12.15 52.48,11.77 arc(52.48,11.43) 52.51,11.09 P8.B40
Fb: length 74.6
  Top w0.178: P1.B5 97,75.51 arc(96.98,75.21) 96.98,74.91 96.98,74.3 arc(96.86,73.73) 96.55,73.25 96.42,73.13 arc(96.19,72.79) 96.11,72.39 arc(96.19,71.99) 96.42,71.65 96.52,71.55 arc(96.82,71.1) 96.93,70.57 96.93,70.19 arc(96.93,69.85) 96.96,69.51 P2.B5 97,65.35 arc(96.98,65.05) 96.98,64.75 96.98,64.14 arc(96.86,63.57) 96.55,63.09 96.42,62.97 arc(96.19,62.63) 96.11,62.23 arc(96.19,61.83) 96.42,61.49 96.52,61.39 arc(96.82,60.94) 96.93,60.41 96.93,60.03 arc(96.93,59.69) 96.96,59.35 P3.B5 97,55.19 arc(96.98,54.89) 96.98,54.59 96.98,53.98 arc(96.86,53.41) 96.55,52.93 96.42,52.81 arc(96.19,52.47) 96.11,52.07 arc(96.19,51.67) 96.42,51.33 96.52,51.23 arc(96.82,50.78) 96.93,50.25 96.93,49.87 arc(96.93,49.53) 96.96,49.19 P4.B5 97,45.03 arc(96.98,44.73) 96.98,44.43 96.98,43.82 arc(96.86,43.25) 96.55,42.77 96.42,42.65 arc(96.19,42.31) 96.11,41.91 arc(96.19,41.51) 96.42,41.17 96.52,41.07 arc(96.82,40.62) 96.93,40.09 96.93,39.71 arc(96.93,39.37) 96.96,39.03 P5.B5 97,34.87 arc(96.98,34.57) 96.98,34.27 96.98,33.66 arc(96.86,33.09) 96.55,32.61 96.42,32.49 arc(96.19,32.15) 96.11,31.75 arc(96.19,31.35) 96.42,31.01 96.52,30.91 arc(96.82,30.46) 96.93,29.93 96.93,29.55 arc(96.93,29.21) 96.96,28.87 P6.B5 97,24.71 arc(96.98,24.41) 96.98,24.11 96.98,23.5 arc(96.86,22.93) 96.55,22.45 96.42,22.33 arc(96.19,21.99) 96.11,21.59 arc(96.19,21.19) 96.42,20.85 96.52,20.75 arc(96.82,20.3) 96.93,19.77 96.93,19.39 arc(96.93,19.05) 96.96,18.71 P7.B5 97,14.55 arc(96.98,14.25) 96.98,13.95 96.98,13.34 arc(96.86,12.77) 96.55,12.29 96.42,12.17 arc(96.19,11.83) 96.11,11.43 arc(96.19,11.03) 96.42,10.69 96.52,10.59 arc(96.82,10.14) 96.93,9.61 96.93,9.23 arc(96.93,8.89) 96.96,8.55 P8.B5
G: length 79.9
  Bottom w0.178: P8.A6 96.08,6.01 arc(96.11,6.35) 96.11,6.69 96.11,7.07 arc(96.22,7.6) 96.52,8.05 96.62,8.15 arc(96.85,8.49) 96.93,8.89 arc(96.85,9.29) 96.62,9.63 96.49,9.75 arc(96.18,10.23) 96.06,10.8 96.06,11.41 arc(96.06,11.71) 96.04,12.01 P7.A6 96.08,16.17 arc(96.11,16.51) 96.11,16.85 96.11,17.23 arc(96.22,17.76) 96.52,18.21 96.62,18.31 arc(96.85,18.65) 96.93,19.05 arc(96.85,19.45) 96.62,19.79 96.49,19.91 arc(96.18,20.39) 96.06,20.96 96.06,21.57 arc(96.06,21.87) 96.04,22.17 P6.A6 96.08,26.33 arc(96.11,26.67) 96.11,27.01 96.11,27.39 arc(96.22,27.92) 96.52,28.37 96.62,28.47 arc(96.85,28.81) 96.93,29.21 arc(96.85,29.61) 96.62,29.95 96.49,30.07 arc(96.18,30.55) 96.06,31.12 96.06,31.73 arc(96.06,32.03) 96.04,32.33 P5.A6 96.08,36.49 arc(96.11,36.83) 96.11,37.17 96.11,37.55 arc(96.22,38.08) 96.52,38.53 96.62,38.63 arc(96.85,38.97) 96.93,39.37 arc(96.85,39.77) 96.62,40.11 96.49,40.23 arc(96.18,40.71) 96.06,41.28 96.06,41.89 arc(96.06,42.19) 96.04,42.49 P4.A6 96.08,46.65 arc(96.11,46.99) 96.11,47.33 96.11,47.71 arc(96.22,48.24) 96.52,48.69 96.62,48.79 arc(96.85,49.13) 96.93,49.53 arc(96.85,49.93) 96.62,50.27 96.49,50.39 arc(96.18,50.87) 96.06,51.44 96.06,52.05 arc(96.06,52.35) 96.04,52.65 P3.A6 96.08,56.81 arc(96.11,57.15) 96.11,57.49 96.11,57.87 arc(96.22,58.4) 96.52,58.85 96.62,58.95 arc(96.85,59.29) 96.93,59.69 arc(96.85,60.09) 96.62,60.43 96.49,60.55 arc(96.18,61.03) 96.06,61.6 96.06,62.21 arc(96.06,62.51) 96.04,62.81 P2.A6 96.08,66.97 arc(96.11,67.31) 96.11,67.65 96.11,68.03 arc(96.22,68.56) 96.52,69.01 96.62,69.11 arc(96.85,69.45) 96.93,69.85 arc(96.85,70.25) 96.62,70.59 96.49,70.71 arc(96.18,71.19) 96.06,71.76 96.06,72.37 arc(96.06,72.67) 96.04,72.97 P1.A6 96.08,77.13 arc(96.11,77.47) 96.11,77.81 96.11,78.19 arc(96.22,78.72) 96.52,79.17 96.62,79.27 arc(96.85,79.61) 96.93,80.01
Ga: length 74.6
  Top w0.178: P8.B7 94.42,8.55 arc(94.39,8.89) 94.39,9.23 94.39,9.61 arc(94.28,10.14) 93.98,10.59 93.88,10.69 arc(93.65,11.03) 93.57,11.43 arc(93.65,11.83) 93.88,12.17 94.01,12.29 arc(94.32,12.77) 94.44,13.34 94.44,13.95 arc(94.44,14.25) 94.46,14.55 P7.B7 94.42,18.71 arc(94.39,19.05) 94.39,19.39 94.39,19.77 arc(94.28,20.3) 93.98,20.75 93.88,20.85 arc(93.65,21.19) 93.57,21.59 arc(93.65,21.99) 93.88,22.33 94.01,22.45 arc(94.32,22.93) 94.44,23.5 94.44,24.11 arc(94.44,24.41) 94.46,24.71 P6.B7 94.42,28.87 arc(94.39,29.21) 94.39,29.55 94.39,29.93 arc(94.28,30.46) 93.98,30.91 93.88,31.01 arc(93.65,31.35) 93.57,31.75 arc(93.65,32.15) 93.88,32.49 94.01,32.61 arc(94.32,33.09) 94.44,33.66 94.44,34.27 arc(94.44,34.57) 94.46,34.87 P5.B7 94.42,39.03 arc(94.39,39.37) 94.39,39.71 94.39,40.09 arc(94.28,40.62) 93.98,41.07 93.88,41.17 arc(93.65,41.51) 93.57,41.91 arc(93.65,42.31) 93.88,42.65 94.01,42.77 arc(94.32,43.25) 94.44,43.82 94.44,44.43 arc(94.44,44.73) 94.46,45.03 P4.B7 94.42,49.19 arc(94.39,49.53) 94.39,49.87 94.39,50.25 arc(94.28,50.78) 93.98,51.23 93.88,51.33 arc(93.65,51.67) 93.57,52.07 arc(93.65,52.47) 93.88,52.81 94.01,52.93 arc(94.32,53.41) 94.44,53.98 94.44,54.59 arc(94.44,54.89) 94.46,55.19 P3.B7 94.42,59.35 arc(94.39,59.69) 94.39,60.03 94.39,60.41 arc(94.28,60.94) 93.98,61.39 93.88,61.49 arc(93.65,61.83) 93.57,62.23 arc(93.65,62.63) 93.88,62.97 94.01,63.09 arc(94.32,63.57) 94.44,64.14 94.44,64.75 arc(94.44,65.05) 94.46,65.35 P2.B7 94.42,69.51 arc(94.39,69.85) 94.39,70.19 94.39,70.57 arc(94.28,71.1) 93.98,71.55 93.88,71.65 arc(93.65,71.99) 93.57,72.39 arc(93.65,72.79) 93.88,73.13 94.01,73.25 arc(94.32,73.73) 94.44,74.3 94.44,74.91 arc(94.44,75.21) 94.46,75.51 P1.B7
Gb: length 74.6
  Top w0.178: P1.B10 90.65,78.05 arc(90.63,77.75) 90.63,77.45 90.63,76.84 arc(90.51,76.27) 90.2,75.79 90.07,75.67 arc(89.84,75.33) 89.76,74.93 arc(89.84,74.53) 90.07,74.19 90.17,74.09 arc(90.47,73.64) 90.58,73.11 90.58,72.73 arc(90.58,72.39) 90.61,72.05 P2.B10 90.65,67.89 arc(90.63,67.59) 90.63,67.29 90.63,66.68 arc(90.51,66.11) 90.2,65.63 90.07,65.51 arc(89.84,65.17) 89.76,64.77 arc(89.84,64.37) 90.07,64.03 90.17,63.93 arc(90.47,63.48) 90.58,62.95 90.58,62.57 arc(90.58,62.23) 90.61,61.89 P3.B10 90.65,57.73 arc(90.63,57.43) 90.63,57.13 90.63,56.52 arc(90.51,55.95) 90.2,55.47 90.07,55.35 arc(89.84,55.01) 89.76,54.61 arc(89.84,54.21) 90.07,53.87 90.17,53.77 arc(90.47,53.32) 90.58,52.79 90.58,52.41 arc(90.58,52.07) 90.61,51.73 P4.B10 90.65,47.57 arc(90.63,47.27) 90.63,46.97 90.63,46.36 arc(90.51,45.79) 90.2,45.31 90.07,45.19 arc(89.84,44.85) 89.76,44.45 arc(89.84,44.05) 90.07,43.71 90.17,43.61 arc(90.47,43.16) 90.58,42.63 90.58,42.25 arc(90.58,41.91) 90.61,41.57 P5.B10 90.65,37.41 arc(90.63,37.11) 90.63,36.81 90.63,36.2 arc(90.51,35.63) 90.2,35.15 90.07,35.03 arc(89.84,34.69) 89.76,34.29 arc(89.84,33.89) 90.07,33.55 90.17,33.45 arc(90.47,33) 90.58,32.47 90.58,32.09 arc(90.58,31.75) 90.61,31.41 P6.B10 90.65,27.25 arc(90.63,26.95) 90.63,26.65 90.63,26.04 arc(90.51,25.47) 90.2,24.99 90.07,24.87 arc(89.84,24.53) 89.76,24.13 arc(89.84,23.73) 90.07,23.39 90.17,23.29 arc(90.47,22.84) 90.58,22.31 90.58,21.93 arc(90.58,21.59) 90.61,21.25 P7.B10 90.65,17.09 arc(90.63,16.79) 90.63,16.49 90.63,15.88 arc(90.51,15.31) 90.2,14.83 90.07,14.71 arc(89.84,14.37) 89.76,13.97 arc(89.84,13.57) 90.07,13.23 90.17,13.13 arc(90.47,12.68) 90.58,12.15 90.58,11.77 arc(90.58,11.43) 90.61,11.09 P8.B10
H: length 74.6
  Top w0.178: P8.B2 100.77,11.09 arc(100.74,11.43) 100.74,11.77 100.74,12.15 arc(100.63,12.68) 100.33,13.13 100.23,13.23 arc(100,13.57) 99.92,13.97 arc(100,14.37) 100.23,14.71 100.36,14.83 arc(100.67,15.31) 100.79,15.88 100.79,16.49 arc(100.79,16.79) 100.81,17.09 P7.B2 100.77,21.25 arc(100.74,21.59) 100.74,21.93 100.74,22.31 arc(100.63,22.84) 100.33,23.29 100.23,23.39 arc(100,23.73) 99.92,24.13 arc(100,24.53) 100.23,24.87 100.36,24.99 arc(100.67,25.47) 100.79,26.04 100.79,26.65 arc(100.79,26.95) 100.81,27.25 P6.B2 100.77,31.41 arc(100.74,31.75) 100.74,32.09 100.74,32.47 arc(100.63,33) 100.33,33.45 100.23,33.55 arc(100,33.89) 99.92,34.29 arc(100,34.69) 100.23,35.03 100.36,35.15 arc(100.67,35.63) 100.79,36.2 100.79,36.81 arc(100.79,37.11) 100.81,37.41 P5.B2 100.77,41.57 arc(100.74,41.91) 100.74,42.25 100.74,42.63 arc(100.63,43.16) 100.33,43.61 100.23,43.71 arc(100,44.05) 99.92,44.45 arc(100,44.85) 100.23,45.19 100.36,45.31 arc(100.67,45.79) 100.79,46.36 100.79,46.97 arc(100.79,47.27) 100.81,47.57 P4.B2 100.77,51.73 arc(100.74,52.07) 100.74,52.41 100.74,52.79 arc(100.63,53.32) 100.33,53.77 100.23,53.87 arc(100,54.21) 99.92,54.61 arc(100,55.01) 100.23,55.35 100.36,55.47 arc(100.67,55.95) 100.79,56.52 100.79,57.13 arc(100.79,57.43) 100.81,57.73 P3.B2 100.77,61.89 arc(100.74,62.23) 100.74,62.57 100.74,62.95 arc(100.63,63.48) 100.33,63.93 100.23,64.03 arc(100,64.37) 99.92,64.77 arc(100,65.17) 100.23,65.51 100.36,65.63 arc(100.67,66.11) 100.79,66.68 100.79,67.29 arc(100.79,67.59) 100.81,67.89 P2.B2 100.77,72.05 arc(100.74,72.39) 100.74,72.73 100.74,73.11 arc(100.63,73.64) 100.33,74.09 100.23,74.19 arc(100,74.53) 99.92,74.93 arc(100,75.33) 100.23,75.67 100.36,75.79 arc(100.67,76.27) 100.79,76.84 100.79,77.45 arc(100.79,77.75) 100.81,78.05 P1.B2
ia: length 79.9
  Bottom w0.178: P8.A28 68.14,6.01 arc(68.17,6.35) 68.17,6.69 68.17,7.07 arc(68.28,7.6) 68.58,8.05 68.68,8.15 arc(68.91,8.49) 68.99,8.89 arc(68.91,9.29) 68.68,9.63 68.55,9.75 arc(68.24,10.23) 68.12,10.8 68.12,11.41 arc(68.12,11.71) 68.1,12.01 P7.A28 68.14,16.17 arc(68.17,16.51) 68.17,16.85 68.17,17.23 arc(68.28,17.76) 68.58,18.21 68.68,18.31 arc(68.91,18.65) 68.99,19.05 arc(68.91,19.45) 68.68,19.79 68.55,19.91 arc(68.24,20.39) 68.12,20.96 68.12,21.57 arc(68.12,21.87) 68.1,22.17 P6.A28 68.14,26.33 arc(68.17,26.67) 68.17,27.01 68.17,27.39 arc(68.28,27.92) 68.58,28.37 68.68,28.47 arc(68.91,28.81) 68.99,29.21 arc(68.91,29.61) 68.68,29.95 68.55,30.07 arc(68.24,30.55) 68.12,31.12 68.12,31.73 arc(68.12,32.03) 68.1,32.33 P5.A28 68.14,36.49 arc(68.17,36.83) 68.17,37.17 68.17,37.55 arc(68.28,38.08) 68.58,38.53 68.68,38.63 arc(68.91,38.97) 68.99,39.37 arc(68.91,39.77) 68.68,40.11 68.55,40.23 arc(68.24,40.71) 68.12,41.28 68.12,41.89 arc(68.12,42.19) 68.1,42.49 P4.A28 68.14,46.65 arc(68.17,46.99) 68.17,47.33 68.17,47.71 arc(68.28,48.24) 68.58,48.69 68.68,48.79 arc(68.91,49.13) 68.99,49.53 arc(68.91,49.93) 68.68,50.27 68.55,50.39 arc(68.24,50.87) 68.12,51.44 68.12,52.05 arc(68.12,52.35) 68.1,52.65 P3.A28 68.14,56.81 arc(68.17,57.15) 68.17,57.49 68.17,57.87 arc(68.28,58.4) 68.58,58.85 68.68,58.95 arc(68.91,59.29) 68.99,59.69 arc(68.91,60.09) 68.68,60.43 68.55,60.55 arc(68.24,61.03) 68.12,61.6 68.12,62.21 arc(68.12,62.51) 68.1,62.81 P2.A28 68.14,66.97 arc(68.17,67.31) 68.17,67.65 68.17,68.03 arc(68.28,68.56) 68.58,69.01 68.68,69.11 arc(68.91,69.45) 68.99,69.85 arc(68.91,70.25) 68.68,70.59 68.55,70.71 arc(68.24,71.19) 68.12,71.76 68.12,72.37 arc(68.12,72.67) 68.1,72.97 P1.A28 68.14,77.13 arc(68.17,77.47) 68.17,77.81 68.17,78.19 arc(68.28,78.72) 68.58,79.17 68.68,79.27 arc(68.91,79.61) 68.99,80.01
